# Allegro board pc051c_toplevel_209edited.brd (continued)
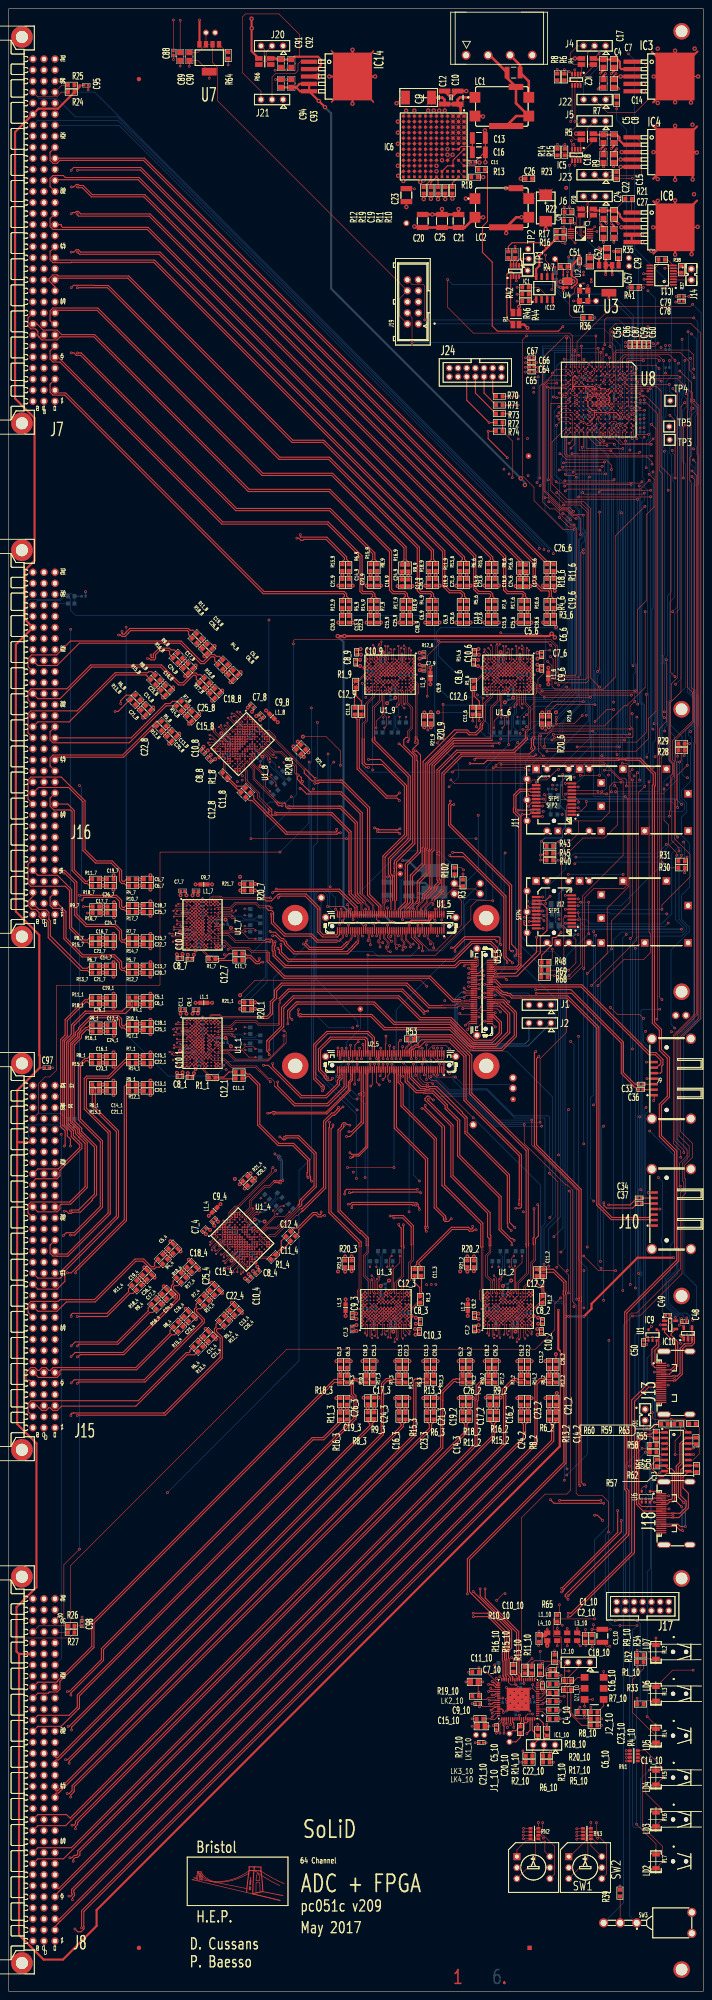
[diagram p0: board, top side]
## Routing (per net, layer and track width the routed paths; a pad name or vN(x,y) marks a point on that pad's centre or on a via; arc(x,y) is an arc through that point) (continued)
  BOTTOM w0.13: v4(60.21,276.11) 60.96,275.37
  BOTTOM w0.25: R24_8.2 60.96,275.37
UNNAMED_1_LTM9007_I6_FRB_1_9: length 10.5
  TOP w0.13: U1_9.J10 86.15,298.85 86.15,293.75 84.65,292.25 v4(84.65,290.75)
  BOTTOM w0.13: v4(84.65,290.75) 84.65,289.7 R24_9.2
UNNAMED_1_LTM9007_I6_FRB_2: length 11.6
  TOP w0.13: U1_2.J9 115.86,160.19 115.86,160.76 116.45,161.36 116.45,166.2 115.85,166.8 115.85,168.7 v4(116.35,169.2)
  BOTTOM w0.13: v4(116.35,169.2) 116.35,169.85 R24_2.1
UNNAMED_1_LTM9007_I6_FRB_3: length 11.6
  TOP w0.13: v4(88.2,169.2) 87.7,168.7 87.7,166.8 88.3,166.2 88.3,161.36 87.7,160.76 87.7,160.19 U1_3.J9
  BOTTOM w0.13: v4(88.2,169.2) 88.2,169.85 R24_3.1
UNNAMED_1_LTM9007_I6_FRB_4: length 11.6
  TOP w0.13: v4(63.35,180.71) 62.64,180.71 61.3,179.36 61.3,178.52 57.87,175.09 57.03,175.09 56.63,174.69 U1_4.J9
  BOTTOM w0.13: R24_4.1 63.81,181.17 v4(63.35,180.71)
UNNAMED_1_LTM9007_I6_FRB_6: length 11.6
  TOP w0.13: v4(113.7,290.75) 114.2,291.25 114.2,293.15 113.6,293.75 113.6,298.59 114.19,299.19 114.19,299.75 U1_6.J9
  BOTTOM w0.13: v4(113.7,290.75) 113.7,290.1 R24_6.1
UNNAMED_1_LTM9007_I6_FRB_7: length 11.6
  TOP w0.13: v4(56.85,244.1) 56.35,244.6 54.45,244.6 53.85,244 49.01,244 48.41,244.59 47.84,244.59 U1_7.J9
  BOTTOM w0.13: R24_7.1 57.5,244.1 v4(56.85,244.1)
UNNAMED_1_LTM9007_I6_FRB_8: length 11.6
  TOP w0.13: U1_8.J9 55.54,284.17 55.94,283.77 55.94,282.93 59.37,279.5 60.21,279.5 61.56,278.16 v4(61.56,277.45)
  BOTTOM w0.13: v4(61.56,277.45) 62.02,276.99 R24_8.1
UNNAMED_1_LTM9007_I6_FRB_9: length 11.6
  TOP w0.13: U1_9.J9 87.05,299.75 87.05,299.19 86.45,298.59 86.45,293.75 87.05,293.15 87.05,291.25 v4(86.55,290.75)
  BOTTOM w0.13: v4(86.55,290.75) 86.55,290.1 R24_9.1
UNNAMED_2_1-HOLE_I191_A: length 41.9
  TOP w0.13: LK4.1 102.65,257 R102.1
  TOP w0.18: v1(78,250.05) 78.23,249.82 78.23,248.77 78.25,248.74 U1_5.90
  TOP w0.25: R3.1 103.25,254.3 LK4.1
  BOTTOM w0.13: LK4.1 102.65,258.7 98.95,262.4 90.35,262.4 v1(78,250.05)
UNNAMED_2_CAPCERSMDCL2_I261_B: length 57.8
  TOP w0.13: J21.3 58.12,437.18 53.8,441.5 53.8,454.25 54.55,455 62.25,455 66.95,450.3 66.95,445.15
  TOP w0.5: R66.2 61.56,444.75 61.81,444.5 C91.2 C92.2 65.2,444.5 65.85,445.15 71.25,445.15 71.9,444.5 71.9,443.19 71.01,442.3 IC14.2
UNNAMED_2_CON3P_I232_A: length 17.7
  TOP w0.18: U3_5.31 v1(109.62,229.7)
  BOTTOM w0.13: J1.1 123.91,227.94 121.36,227.94 119.6,229.7 v1(109.62,229.7)
UNNAMED_2_CON3P_I232_A_1: length 9.9
  TOP w0.18: U3_5.33 v1(112.08,229.2)
  BOTTOM w0.13: J1.3 117.57,229.2 v1(112.08,229.2)
UNNAMED_2_CON3P_I258_A: length 5.3
  TOP w0.13: J20.3 58.85,446.92 58.85,444.28 57.92,443.35 R66.3
UNNAMED_2_CON3P_I258_A_1: length 5.5
  TOP w0.13: J20.2 59.31,446.3 59.31,444.12 60.08,443.35 R66.4
UNNAMED_2_CON3P_I274_A: length 16.1
  TOP w0.13: IC14.1 67.15,444 66.64,443.49 66.64,441.93 65.96,441.25 61.45,441.25 60.66,440.46 J21.2
UNNAMED_3_CAPCERSMDCL1_I104_A: length 5.4
  TOP w0.25: C19.1 98.9,417.15 IC6.F12 97.25,416.23 R19.2
UNNAMED_3_CAPCERSMDCL2_I44_B_10: length 17.8
  TOP w0.17: R7_10.2 131.98,61.2 128.75,64.43 128.75,69.95 130.16,71.36 ; 130.16,71.36 130.02,71.5 C16_10.2 ; 130.16,71.36 131.04,72.24 QZ1_10.4
UNNAMED_3_CAPCERSMDCL2_I45_B_10: length 13.7
  TOP w0.17: R4_10.2 130.95,62.7 129.5,64.15 C14_10.2 131.14,69.4 131.44,69.7 QZ1_10.5
UNNAMED_3_CAPCERSMDCL2_I57_B: length 10.3
  TOP w0.5: IC4.2 141.72,424.9 140.7,425.92 140.7,426.6 140.1,427.2 C8.2 C5.2 134.93,427.2 R5.2
UNNAMED_3_CAPCERSMDCL2_I85_B: length 13.9
  TOP w0.13: R21.1 142.05,412.35 C22.2
  TOP w0.5: IC8.2 141.6,407.6 140.8,408.4 140.8,408.85 139.9,409.75 C22.2 C24.2 135.03,409.75 R20.2
UNNAMED_3_CAPCERSMDCL2_I119_<0>: length 115
  TOP w0.129: IC6.B4 103.61,428.18 ; IC6.B4 103.11,428.18 ; IC6.B4 104.12,427.17 ; IC6.B4 104.12,428.18 ; IC6.B4 103.61,427.17 ; IC6.B4 104.12,427.68 ; IC6.B4 103.11,427.17 ; IC6.C3 102.85,429.45 ; IC6.C3 102.34,428.44 ; IC6.C3 101.84,429.45 ; IC6.C3 102.85,428.44 ; IC6.C3 101.84,428.44 ; IC6.C3 102.85,428.94 ; IC6.C3 102.34,429.45 ; 104.38,428.44 IC6.A3 ; IC6.A3 105.39,428.94 ; IC6.A3 104.89,429.45 ; IC6.A3 104.89,428.44 ; IC6.A3 104.38,429.45 ; IC6.A3 105.39,429.45 ; IC6.A3 105.39,428.44 ; IC6.C2 102.85,430.21 ; IC6.C2 102.34,430.72 ; IC6.C2 102.85,430.72 ; IC6.C2 102.85,429.71 ; IC6.C2 101.84,429.71 ; IC6.C2 101.84,430.72 ; IC6.C2 102.34,429.71 ; 104.38,428.18 IC6.A4 ; IC6.A4 104.89,428.18 ; IC6.A4 105.39,427.68 ; IC6.A4 104.38,427.17 ; IC6.A4 104.89,427.17 ; IC6.A4 105.39,427.17 ; IC6.A4 105.39,428.18 ; IC6.A5 105.39,426.91 ; IC6.A5 105.39,425.9 ; IC6.A5 104.38,425.9 ; IC6.A5 104.89,426.91 ; IC6.A5 105.39,426.4 ; IC6.A5 104.38,426.91 ; IC6.A5 104.89,425.9 ; 104.38,430.98 IC6.A1 ; IC6.A1 104.38,431.99 ; IC6.A1 105.39,431.99 ; IC6.A1 105.39,431.49 ; IC6.A1 104.89,430.98 ; IC6.A1 104.89,431.99 ; IC6.A1 105.39,430.98 ; IC6.C4 102.85,427.68 ; IC6.C4 102.85,427.17 ; IC6.C4 101.84,428.18 ; IC6.C4 102.34,428.18 ; IC6.C4 102.85,428.18 ; IC6.C4 101.84,427.17 ; IC6.C4 102.34,427.17 ; IC6.A2 104.89,430.72 ; IC6.A2 104.89,429.71 ; IC6.A2 105.39,430.21 ; IC6.A2 104.38,429.71 ; IC6.A2 105.39,430.72 ; IC6.A2 104.38,430.72 ; IC6.A2 105.39,429.71 ; IC6.B5 104.12,426.91 ; IC6.B5 103.61,425.9 ; IC6.B5 103.61,426.91 ; IC6.B5 104.12,426.4 ; IC6.B5 103.11,425.9 ; IC6.B5 103.11,426.91 ; IC6.B5 104.12,425.9 ; 100.4,433.5 C12.2 ; C12.2 98.87,434.9 ; C12.2 98.87,434.25 ; C12.2 98.87,433.6 ; IC6.B2 103.61,430.72 ; IC6.B2 103.11,430.72 ; IC6.B2 104.12,430.21 ; IC6.B2 104.12,430.72 ; IC6.B2 103.61,429.71 ; IC6.B2 104.12,429.71 ; IC6.B2 103.11,429.71 ; 103.4,433.5 C10.2 ; C10.2 104.93,433.6 ; C10.2 104.93,434.25 ; C10.2 104.93,434.9 ; IC6.B6 104.12,425.64 ; IC6.B6 104.12,425.13 ; IC6.B6 103.11,425.64 ; IC6.B6 103.61,425.64 ; IC6.B1 104.12,430.98 ; IC6.B1 104.12,431.49 ; IC6.B1 103.61,430.98 ; IC6.B1 103.11,431.99 ; IC6.B1 103.61,431.99 ; IC6.B1 103.11,430.98 ; IC6.C6 102.34,425.64 ; IC6.C6 102.85,425.13 ; IC6.C6 101.84,425.64 ; IC6.C6 102.85,425.64 ; 101.84,426.91 IC6.C5 ; IC6.C5 102.34,425.9 ; IC6.C5 101.84,425.9 ; IC6.C5 102.34,426.91 ; IC6.C5 102.85,426.91 ; IC6.C5 102.85,426.4 ; IC6.C5 102.85,425.9 ; IC6.C1 102.85,431.49 ; IC6.C1 101.84,430.98 ; IC6.C1 102.85,431.99 ; IC6.C1 102.85,430.98 ; IC6.C1 102.34,431.99 ; IC6.C1 102.34,430.98 ; IC6.C1 101.84,431.99 ; IC6.B3 103.61,429.45 ; IC6.B3 104.12,428.44 ; IC6.B3 103.61,428.44 ; IC6.B3 104.12,429.45 ; IC6.B3 104.12,428.94 ; IC6.B3 103.11,429.45 ; IC6.B3 103.11,428.44 ; 96.21,435.75 C9.1 ; C9.1 97.4,433.98 ; C9.1 98.53,433.98 ; C9.1 96.27,433.98 ; IC6.A6 104.89,425.64 ; IC6.A6 105.39,425.13 ; IC6.A6 105.39,425.64 ; IC6.A6 104.38,425.64
  TOP w0.13: IC6.A1 104.38,431.49 ; IC6.A5 104.38,426.4 ; IC6.B3 103.11,428.94 ; IC6.A6 104.38,425.13 ; 103.11,431.49 IC6.B1 104.1,431.97 ; IC6.C5 101.84,426.4 ; IC6.B2 103.11,430.21 ; IC6.C1 101.84,431.49 ; IC6.C2 101.84,430.21 ; IC6.B5 103.11,426.4 ; IC6.B4 103.11,427.68 ; IC6.C6 101.84,425.13 ; IC6.A4 104.38,427.68 ; IC6.A3 104.38,428.94 ; IC6.B6 103.11,425.13 ; IC6.C3 101.84,428.94 ; IC6.C4 101.84,427.68 ; IC6.A2 104.38,430.21
  TOP w0.6: C10.2 104.1,433.55 104.1,431.97 ; C10.2 103.4,435.25 103.95,435.8 LC1.1 ; C10.2 C12.2 100.4,435.25 99.9,435.75 C9.1
UNNAMED_3_CAPCERSMDCL2_I122_B: length 1.7
  TOP w0.25: C11.2 106.03,421.32 IC6.A9
UNNAMED_3_CAPCERSMDCL2_I125_<0>: length 8
  TOP w0.25: 106.8,424.5 104.25,424.5 IC6.B7 IC6.C7 ; 106.8,424.5 C16.2 ; 106.8,424.5 C13.2
UNNAMED_3_CAPCERSMDCL2_I133_B: length 11.5
  TOP w0.6: LC1.2 119.8,439.5 C6.2 117.8,443.21 J3.3
UNNAMED_3_CAPCERSMDCL2_I134_B: length 24.6
  TOP w0.13: R4.2 134.8,444.75 v1(136,445.95)
  TOP w0.5: R4.2 134.93,444.5 C4.2 C7.2 140.28,444.5 140.78,444 140.78,442.67 141.15,442.3 IC3.2
  BOTTOM w0.13: J22.3 132.45,435.33 132.45,439.4 136,442.95 v1(136,445.95)
UNNAMED_3_CON3P_I83_A: length 12.6
  TOP w0.13: J6.3 133.2,412.22 133.2,409.68 132.22,408.7 R20.3 131.59,408.37 131.59,404.09 132.23,403.45 IC7.1
UNNAMED_3_CON3P_I83_A_1: length 13.4
  TOP w0.13: IC7.2 132.1,403.95 131.85,404.2 131.85,405.88 R20.4 134.38,408.7 133.46,409.62 133.46,411.5 J6.2
UNNAMED_3_CON3P_I173_A: length 26.3
  TOP w0.13: IC3.1 145.85,444 147.12,442.73 147.12,435.1 144.32,432.3 137.96,432.3 J22.2
UNNAMED_3_CON3P_I173_A_1: length 2.8
  TOP w0.13: R7.2 138.1,435.9 J22.1
UNNAMED_3_CON3P_I174_A: length 21.9
  TOP w0.13: J23.2 135.95,417.01 137.91,417.01 138.65,417.75 145.72,417.75 145.77,417.8 145.77,425.3 144.47,426.6 IC4.1
UNNAMED_3_CON3P_I174_A_1: length 2.7
  TOP w0.13: J23.1 138.1,418.6 R9.2
UNNAMED_3_INA219_I143_A0: length 5.7
  TOP w0.13: R8.2 126.99,439.11 128.58,439.11 128.92,439.45 130.57,439.45 131.07,438.95 IC2.7
UNNAMED_3_INA219_I143_A1: length 4.5
  TOP w0.13: IC2.8 131.72,438.95 130.92,439.75 R6.2
UNNAMED_3_INA219_I148_A0: length 3.7
  TOP w0.13: IC5.7 131.07,421.65 130.27,422.45 R15.1
UNNAMED_3_INA219_I148_A1: length 6.6
  TOP w0.13: R14.2 126.65,422.45 127.3,423.1 130.27,423.1 131.72,421.65 IC5.8
UNNAMED_3_INA219_I179_A0: length 1.9
  TOP w0.25: R2.2 116.65,398.4 116.28,398.02 116.28,397.15
UNNAMED_3_INA219_I179_A1: length 1.9
  TOP w0.25: R67.1 115.6,398.35 115.6,397.98 115.62,397.95 IC1.8
UNNAMED_3_LT1764A_I84_SHDN: length 3.2
  TOP w0.13: R21.2 143.5,412.4 IC8.1
UNNAMED_3_LTC2990_I147_ADR0: length 2
  TOP w0.13: R17.1 128.25,404.45 IC7.8
UNNAMED_3_LTC2990_I147_ADR1: length 2
  TOP w0.13: IC7.9 128.3,403.95 R16.1
UNNAMED_3_LTM4606_I115_DRVCC<0>: length 9.2
  TOP w0.25: IC6.E12 IC6.E11 101.08,420.06 IC6.C10 102.34,421.32 IC6.A7
UNNAMED_3_LTM4606_I115_FSET: length 4.6
  TOP w0.25: R11.1 R10.2 102.2,416.1 IC6.B12
UNNAMED_3_LTM4606_I115_MPGM1: length 3.5
  TOP w0.13: R18.2 104.95,417.45 IC6.A12 IC6.B11
UNNAMED_3_LTM4606_I115_PGOOD: length 3.1
  TOP w0.25: IC6.G12 97.27,416.81 R12.2
UNNAMED_3_LTM4606_I115_RUN1: length 5.5
  TOP w0.13: IC6.B9 IC6.A10
  TOP w0.25: IC6.A10 107.34,420.06 R13.2
UNNAMED_3_OSC6PENDIFFOUT_I37_10: length 3.6
  TOP w0.17: QZ1_10.1 137.05,65.7 135.6,64.25 R1_10.1
UNNAMED_3_RSMD0603_I57_B_10: length 6.7
  TOP w0.17: IC1_10.39 112.24,67.95 111.85,67.56 110.42,67.56 110.01,67.16 107.55,67.16 R19_10.2
UNNAMED_3_RSMD0603_I58_B_10: length 4.1
  TOP w0.17: IC1_10.11 123,68.45 123.58,69.03 123.58,69.44 124.6,70.46 R18_10.2
UNNAMED_3_RSMD0603_I60_B_10: length 4
  TOP w0.17: R12_10.2 110.96,62.7 111.12,62.54 111.94,62.54 IC1_10.48
UNNAMED_3_RSMD0603_I62_B_10: length 2.2
  TOP w0.17: R15_10.2 116.25,73.1 117.1,72.25 IC1_10.25
UNNAMED_3_RSMD0603_I64_B_10: length 3.5
  TOP w0.17: IC1_10.3 122.85,64.45 R17_10.2
UNNAMED_3_RSMD0603_I65_B_10: length 2.9
  TOP w0.17: IC1_10.4 123.69,64.95 123.94,64.7 R20_10.2
UNNAMED_3_RSMD0603_I68_B_10: length 2.1
  TOP w0.17: R16_10.2 119.05,73.15 120.1,72.1 IC1_10.19
UNNAMED_3_RSMD0603_I69_B_10: length 2
  TOP w0.17: IC1_10.17 121.1,71.8 R13_10.2
UNNAMED_5_LP38692_I130_EN: length 2.8
  TOP w0.13: R64.1 50.25,446.2 U7.1
UNNAMED_7_CAPCERSMDCL2_I3_A: length 3
  TOP w0.25: C34.1 146.2,182.55 146.21,182.54 J10.6
UNNAMED_7_CAPCERSMDCL2_I5_A: length 3
  TOP w0.25: C37.1 146.2,181.25 146.22,181.27 J10.5
UNNAMED_7_CAPCERSMDCL2_I11_A: length 2.6
  TOP w0.25: J9.3 146.67,208.73 146.65,208.75 C33.1
UNNAMED_7_CAPCERSMDCL2_I12_A: length 2.7
  TOP w0.25: C36.1 146.6,207.5 146.64,207.46 J9.2
UNNAMED_7_CAPCERSMDCL2_I16_B: length 10.6
  TOP w0.13: J11.16 123.62,273.53 123.75,273.66 123.75,275 v1(123.4,275.35)
  TOP w0.18: v1(119.7,272.7) 120.53,273.53 J11.16
  BOTTOM w0.13: C39.2 124.3,275.45 ; 124.3,275.45 123.5,275.45 v1(123.4,275.35) ; 124.3,275.45 L4.1 ; C41.2 120.55,271.85 v1(119.7,272.7)
UNNAMED_7_CAPCERSMDCL2_I17_B: length 12.7
  TOP w0.18: J11.15 v1(123.2,274.33)
  BOTTOM w0.13: v1(123.2,274.33) 122.02,274.33 C35.2 ; v1(123.2,274.33) 122.05,275.48 C32.2 ; v1(123.2,274.33) 123.2,274.3 L2.2 124.75,271.59 124.85,271.49 C38.2
UNNAMED_7_CAPCERSMDCL2_I27_B: length 8.5
  TOP w0.13: v1(123.3,247.5) 123.02,247.78 J12.16
  BOTTOM w0.13: v1(123.3,247.5) 124.95,245.85 L5.1 ; v1(123.3,247.5) 123.6,247.8 C47.2 ; v1(123.3,247.5) 122.5,246.7 C46.2
UNNAMED_7_CAPCERSMDCL2_I31_B: length 8.5
  TOP w0.18: J12.15 v1(122.98,248.58)
  BOTTOM w0.13: L3.2 123.38,248.58 v1(122.98,248.58) ; C43.2 C44.2 122.15,247.75 v1(122.98,248.58) ; v1(122.98,248.58) 122.4,249.16 C45.2
UNNAMED_8_LED_I105_K: length 11.9
  TOP w0.13: LD4.2 150.6,49.08 150.6,51.5 146.7,55.4 RN1.8
UNNAMED_8_LED_I107_K: length 19.7
  TOP w0.13: RN1.7 145.12,54.6 146.75,52.97 146.75,45.6 150.55,41.8 150.55,39.6 149.1,38.15 LD3.2
UNNAMED_8_LED_I108_K: length 28.7
  TOP w0.13: RN1.6 145.12,53.8 146.05,52.87 146.05,37.9 150.65,33.3 150.65,29.85 LD2.2
UNNAMED_8_LED_I285_K: length 3.2
  TOP w0.13: LD7.2 147.15,76.5 R34.2
UNNAMED_8_LED_I288_K: length 3.2
  TOP w0.13: LD6.2 147.01,66.86 R33.2
UNNAMED_8_LED_I293_K: length 21.9
  TOP w0.13: R32.2 146.25,74.25 143.65,71.65 143.65,64.2 149.1,58.75 LD5.2
UNNAMED_11_24AA025E48_I159_A0: length 1.8
  TOP w0.13: R46.1 120.65,388.9 121,389.25 IC12.1
UNNAMED_11_24AA025E48_I159_A1: length 3.8
  TOP w0.13: R44.1 122.02,390.5 122.77,389.75 IC12.2
UNNAMED_11_24AA025E48_I159_A2: length 5.9
  TOP w0.13: R42.1 122.02,392.1 124.03,390.09 IC12.3
UNNAMED_11_CON2P_I154_A: length 4.2
  TOP w0.13: J14.2 153.27,393.78 IC11.3
UNNAMED_11_CON2P_I154_A_1: length 4.9
  TOP w0.13: J14.1 155.51,394.58 IC11.4
UNNAMED_11_LM82_I138_ADD: length 3.5
  TOP w0.13: R38.1 149.65,397.29 148.85,396.49 IC11.10
UNNAMED_11_LM82_I138_ADD_1: length 2
  TOP w0.13: IC11.6 153.74,395.85 154.14,395.45 R37.1
UNNAMED_11_LP38692_I193_EN: length 1.7
  TOP w0.5: U3.1 140.5,398.16 140.45,398.21 R35.1
UNNAMED_11_LP38692SD_I128_EN: length 2.2
  TOP w0.3: U4.3 127.75,396.3 R47.1
UNNAMED_11_RSMD0603_I137_A: length 6.1
  TOP w0.13: R39.1 140.84,21.81 SW3.2
UNNAMED_15_CON2P_I271_A: length 14.7
  TOP w0.13: J31.2 146.15,130.93 146.15,129.05 148.05,129.05 149.55,130.55 R60.1 151.4,129.45 152.07,129.45 152.12,129.4 152.12,125.7 151.2,124.78 151.1,124.78
UNNAMED_15_DS90LV032A_I246_EN: length 13.1
  TOP w0.13: IC13.12 156.51,123.5 v1(157.73,123.5) ; v1(153.5,123.5) 153.5,126.71 154.8,128.01 R59.2
  BOTTOM w0.13: v1(153.5,123.5) v1(157.73,123.5)
UNNAMED_15_DS90LV032A_I246_RO_1: length 10.4
  TOP w0.13: IC13.11 157.65,122.25 159.05,123.65 159.05,129.75 158.25,130.55 R63.1
UNNAMED_15_DS90LV032A_I246_RO_2: length 2.1
  TOP w0.13: R62.1 149.74,123.52 IC13.5
UNNAMED_15_DS90LV032A_I246_ROUT: length 2.1
  TOP w0.13: IC13.3 149.6,126.06 R61.1
VMON2V5A: length 9.7
  TOP w0.13: J5.3 131.95,430.35 129.7,428.1 129.7,426.85 130.5,426.05 R5.3 131.72,425.85 IC5.1
VMON2V5B: length 11.8
  TOP w0.13: IC5.2 131.07,423.45 131.42,423.11 132.03,423.11 134.68,425.75 R5.4 133.6,426.05 133.25,426.4 133.25,428.64 J5.2
VMON3V3A: length 10.8
  TOP w0.13: IC2.1 131.93,441.35 R4.3 130.05,443.35 129.35,444.05 129.35,445.95 131.05,447.65 J4.3
VMON3V3B: length 11.8
  TOP w0.13: IC2.2 131.07,440.75 131.42,440.41 132.16,440.41 134.68,442.93 R4.4 133.65,443.35 133.3,443.7 133.3,445.99 J4.2
VMON5V_FPGA_A: length 8.5
  TOP w0.25: IC1.1 115.62,386.8 R1.3
VMON5V_FPGA_B: length 14.9
  TOP w0.25: R1.4 114.75,384.93 114.75,395.1 115.4,395.75 115.85,395.75 116.28,395.32 116.28,394.55
XA_10: length 19
  TOP w0.17: 124.6,68.65 125.35,67.9 v1(127.95,67.9) ; 124.6,68.65 122.9,66.95 IC1_10.8 ; 124.6,68.65 R8_10.2 ; v1(129.05,73.7) 128,73.7 ; 128,73.7 C16_10.1 ; 128,73.7 128,74.93 J2_10.3
  L3 w0.17: v1(127.95,67.9) 127.95,72.6 v1(129.05,73.7)
XB_10: length 15.5
  TOP w0.17: IC1_10.9 122.47,67.45 123.91,68.89 123.91,69.3 124.05,69.44 125.41,69.44 126.1,68.75 ; R8_10.1 126.1,68.75 ; 126.1,68.75 126.75,69.4 C14_10.1 128,70.11 128.75,70.86 128.75,72.1 131.31,74.66 J2_10.2

## Copper pours and planes (outline as drawn; the poured copper is in the pictures)
GND_SIGNAL on TOP: 126.55,392.65 129.75,392.65 129.75,394.25 126.55,394.25
GND_SIGNAL on TOP: 67.44,425.35 87,425.35 87,455.69 67.44,455.69
GND_SIGNAL on TOP, BOTTOM: 147,399.5 159.5,399.5 159.5,455.55 147,455.55
GND_SIGNAL on L2: 0.5,0.5 0.5,455.7 20.4,455.7 20.4,438 127.5,330.9 127.5,302.65 128,302.65 128,334.55 23,439.55 23,455.7 159.5,455.7 159.5,0.5 22.95,0.5 23,0.55 23,18.1 127.6,122.7 127.6,157.3 127.15,157.3 127.15,125.15 20.5,18.5 20.5,0.5 ; 2 cut-outs
P1V8 on L5 (solid shape): outline of 55517 points within 23,0.5 159.5,410.62
P1V8A on L5: 8.4,452.65 9.1,453.8 9.5,454.22 9.5,455.02 11.96,455.02 12.46,455.53 12.67,455.51 12.77,455.7 20.4,455.7 20.4,437.95 127.5,330.85 127.5,285.05 77.21,285.05 57.56,265.4 62.55,265.4 62.55,198.15 53.96,198.15 77.21,174.9 127.15,174.9 127.15,125.15 20.5,18.5 20.5,0.5 0.5,0.5 0.5,455.7 12.39,455.7 0.5,455.7 0.5,450.9 0.58,450.81 0.69,450.86 4.04,452.13 5.55,448.89 5.59,448.77 5.72,448.78 7.92,450.99 7.92,451.24 7.99,451.14 8.1,451.16 8.68,451.75 ; 2 cut-outs
P1V8C on L5: 120.5,354.65 120.75,354.4 122.15,354.4 122.2,354.45 122.2,387.85 125.4,391.05 128.5,391.05 129,391.55 129,392.45 128.9,392.55 128.5,392.55 126.8,394.25 125.45,394.25 120.5,389.3
P2V2 on TOP: 89.8,432.55 89.8,418.15 95.3,418.15 95.3,432.55
P2V2 on L5: 89.15,438 110.5,438 110.5,405 89.15,405
P2V2_FILTERED on TOP: 118.05,411.2 129.3,411.2 130.95,409.55 132.85,409.55 132.85,410.85 130.85,412.85 128.85,412.85 124,417.7 120.8,417.7 119.95,416.85 119.95,415.7 118.15,413.9 118.05,413.9
P2V5 on L5: 147.75,413.05 155.8,413.05 157.8,411.05 157.8,392.4 155.85,390.45 155.85,389.45 155.95,389.35 155.95,263.75 155.9,263.8 153.25,263.8 152.9,263.45 152.9,263.4 113.5,263.4 106.4,256.3 100.6,256.3 97.75,253.45 97.75,218.05 97.2,217.5 97.2,215.8 97.75,215.25 97.75,214.15 97.8,214.1 100.55,214.1 100.65,214.2 100.65,216.65 98.85,218.45 98.85,252.55 99.55,253.25 105.25,253.25 107.88,255.88 107.88,255.82 114.7,262.65 152.85,262.65 153.3,262.2 155.95,262.2 155.95,226.15 156.9,225.2 156.9,223.8 155.95,222.85 155.95,220.55 155.4,220 155.4,218.3 155.95,217.75 155.95,202.7 155.2,201.95 155.2,199.75 155.95,199 155.95,191.3 155.45,190.8 155.45,188 155.95,187.5 155.95,172.35 155,171.4 155,169.5 155.95,168.55 155.95,156.05 153.15,156.05 152.3,155.2 152.25,155.2 151.9,154.85 151.9,152.7 152.3,152.3 152.3,149.7 155.95,146.05 155.95,27.95 158.55,27.95 158.55,199.05 159,199.5 159,201.9 158.55,202.35 158.55,217.7 158.85,218 158.85,220.3 158.55,220.6 158.55,411.2 156,413.75 148.3,413.75 142.2,419.85 142.2,421.15 141.8,421.55 136.25,421.55 136.1,421.4 136.1,419.45 141.35,419.45
P3V3 on L5: 128.5,441.95 159.5,441.95 159.5,23.55 158.75,22.8 139.9,22.8 139.05,23.65 139.05,26.45 138.4,27.1 115.25,27.1 115.2,27.15 115.2,29.6 115.3,29.7 138.35,29.7 139.05,30.4 139.05,47.2 141.3,49.45 141.3,82.35 126.1,82.35 125.45,83 125.45,85.75 127.15,85.75 127.2,85.7 127.2,89.8 150.7,89.8 150.7,148.75 147.9,148.75 146.9,149.75 146.9,150.85 149.4,150.85 149.4,155.4 150.85,156.85 152.25,156.85 152.6,157.2 152.6,235.8 153.05,236.25 154.55,236.25 154.55,290.45 152.2,292.8 152.2,296.6 154.9,299.3 154.9,406.45 150.6,410.75 139.45,410.75 134.3,405.6 134.3,401.8 125.7,401.8 125.7,439.15
P3V3C on L5: 137.4,397.05 134.55,394.2 132.75,394.2 132.65,394.1 132.65,380 128.1,375.45 128.1,358.4 137.2,358.4 137.2,296.9 100.15,259.85 100.15,259.45 90.85,250.15 90.85,204.75 122.9,172.7 123.25,173.05 140.15,173.05 142.75,170.45 142.75,143.3 143.85,142.2 143.9,142.2 144.9,141.2 144.9,111.35 147.75,111.35 147.75,141.25 145.95,143.05 145.95,170.65 141,175.6 123.15,175.6 93.6,205.15 93.6,250.9 98.8,256.1 100.22,257.42 141.7,298.9 141.7,358.4 151.45,358.4 151.45,393.95 150.95,394.45 145.4,394.45 144.2,397.05
P5V on BOTTOM: 12.4,446.3 4.3,446.3 1.45,443.45 1.45,10.8 1.8,10.45 3.85,10.45 4.35,10.95 4.35,88.6 4.88,89.12 11.47,89.12 11.7,89.35 11.7,91.4 11.6,91.5 7.2,91.5 7.2,126.2 4.35,129.05 4.35,206.55 5.05,207.25 11.25,207.25 11.65,207.65 11.65,209.1 11.2,209.55 7.95,209.55 7.65,209.85 7.65,215.3 4.35,218.6 4.35,236.15 7.55,239.35 7.55,244.25 4.35,247.45 4.35,324.45 5.22,325.32 11.17,325.32 11.65,325.8 11.65,327.2 11.1,327.75 7.5,327.75 7.1,328.15 7.1,335.5 5.35,337.25 4.35,337.25 4.35,353.8 7.6,357.05 7.6,363.3 4.35,366.55 4.35,443.2 4.95,443.8 11.6,443.8 13.25,445.45
P5V on L5: 86.9,255.55 86.9,272.55 98.7,284.35 108.6,284.35 126.62,302.38 126.62,303.48 127.6,304.45 127.6,329.6 19.75,437.45 19.75,452 11.55,443.8 5,443.8 3.85,444.95 13.2,454.3 20.35,454.3 20.35,437.95 127.9,330.4 127.9,302.95 128.5,303.4 128.5,334 24.05,438.45 88.65,438.45 88.65,404.5 111.05,404.5 111.05,438.5 23.35,438.5 23.35,455.35 158.9,455.35 158.9,442.35 128.65,442.35 127.3,441 127.3,430 128.4,428.9 132.35,428.9 133.2,428.05 133.2,426.75 128.5,426.75 127.3,425.55 127.3,419.65 127.55,419.4 132.5,419.4 133.45,418.45 133.45,417.35 132.6,416.5 127.6,416.5 127.6,400.95 128,400.55 140.9,400.55 141.6,399.85 141.6,398.85 141,398.25 127.2,398.25 127.2,396.15 120.35,389.3 120.35,354.65 130.05,344.95 130.05,301.05 127.99,298.99 127.99,299.01 111.16,282.3 100.45,282.3 91.9,273.75 91.9,260.45 90.7,259.25 89.65,259.25 88,257.6 88,255.55
P5V_FPGA on L5: 86.9,255.6 88,255.6 88,257.7 89.6,259.3 90.65,259.3 90.7,259.25 90.7,259.3 91.85,260.45 91.9,260.45 91.9,273.7 91.85,273.75 100.4,282.3 111.3,282.3 130.05,301.05 130.05,344.95 120.35,354.65 120.35,389.35 118.7,389.35 118.7,354.7 129.35,344.05 129.35,302.25 110.35,283.25 100.9,283.25 91.4,273.75 91.4,261.6 89.55,259.75 89.4,259.75 89.35,259.8 86.9,257.35
VDD_CLK40 on L5 (solid shape): 124.75,79.8 125.64,78.91 125.65,78.9 125.66,78.88 125.67,78.85 125.66,78.82 125.65,78.79 125.64,78.77 125.61,78.75 125.57,78.74 125.52,78.71 125.47,78.67 125.43,78.63 125.39,78.58 125.36,78.53 125.34,78.48 125.32,78.42 125.32,78.36 125.32,78.3 125.33,78.24 125.35,78.18 125.37,78.13 125.41,78.08 125.44,78.04 125.49,78 125.54,77.96 125.59,77.94 125.65,77.92 125.71,77.91 125.77,77.91 125.83,77.92 125.89,77.93 125.94,77.95 125.99,77.98 126.04,78.02 126.08,78.06 126.12,78.11 126.14,78.16 126.16,78.2 126.18,78.23 126.2,78.25 126.23,78.26 126.26,78.26 126.29,78.25 126.31,78.24 126.32,78.23 127.85,76.7 127.85,68.32 127.79,68.3 127.73,68.27 127.68,68.24 127.64,68.2 127.6,68.15 127.57,68.1 127.54,68.05 127.53,67.99 127.52,67.93 127.52,67.87 127.53,67.81 127.54,67.75 127.57,67.7 127.6,67.65 127.64,67.6 127.68,67.56 127.73,67.53 127.79,67.5 127.85,67.48 127.85,63 127.63,62.78 127.62,62.77 127.6,62.76 127.57,62.75 127.54,62.76 127.51,62.77 127.48,62.79 127.47,62.81 127.45,62.85 127.43,62.91 127.4,62.96 127.36,63 127.31,63.04 127.27,63.08 127.21,63.1 127.16,63.12 127.1,63.13 127.04,63.13 126.98,63.13 126.92,63.11 126.87,63.09 126.81,63.06 126.77,63.03 126.72,62.98 126.69,62.94 126.66,62.88 126.64,62.83 126.62,62.77 126.62,62.71 126.62,62.65 126.63,62.59 126.65,62.54 126.67,62.48 126.71,62.44 126.75,62.39 126.79,62.35 126.84,62.32 126.9,62.3 126.94,62.28 126.96,62.26 126.98,62.24 126.99,62.21 127,62.18 126.99,62.15 126.98,62.13 126.95,62.1 119.25,62.1 118.55,62.8 118.55,64.53 119.62,64.53 119.62,64.47 119.63,64.41 119.64,64.36 119.67,64.3 119.7,64.25 119.73,64.2 119.78,64.16 119.83,64.13 119.88,64.1 119.93,64.08 119.99,64.07 120.05,64.07 120.11,64.07 120.17,64.08 120.22,64.1 120.27,64.13 120.32,64.16 120.37,64.2 120.4,64.25 120.43,64.3 120.46,64.36 120.47,64.41 120.48,64.47 120.48,64.53 120.47,64.59 120.46,64.64 120.43,64.7 120.42,64.73 126.62,64.73 126.62,64.67 126.63,64.61 126.64,64.56 126.67,64.5 126.7,64.45 126.73,64.4 126.78,64.36 126.83,64.33 126.88,64.3 126.93,64.28 126.99,64.27 127.05,64.27 127.11,64.27 127.17,64.28 127.22,64.3 127.27,64.33 127.32,64.36 127.37,64.4 127.4,64.45 127.43,64.5 127.46,64.56 127.47,64.61 127.48,64.67 127.48,64.73 127.47,64.79 127.46,64.84 127.43,64.9 127.4,64.95 127.37,65 127.32,65.04 127.27,65.07 127.22,65.1 127.17,65.12 127.11,65.13 127.05,65.13 126.99,65.13 126.93,65.12 126.88,65.1 126.83,65.07 126.78,65.04 126.73,65 126.7,64.95 126.67,64.9 126.64,64.84 126.63,64.79 126.62,64.73 120.42,64.73 120.4,64.75 120.37,64.8 120.32,64.84 120.27,64.87 120.22,64.9 120.17,64.92 120.11,64.93 120.05,64.93 119.99,64.93 119.93,64.92 119.88,64.9 119.83,64.87 119.78,64.84 119.73,64.8 119.7,64.75 119.67,64.7 119.64,64.64 119.63,64.59 119.62,64.53 118.55,64.53 118.55,64.9 118.75,65.1 125.15,65.1 125.35,65.3 125.35,70.73 126.56,70.73 126.56,70.67 126.57,70.61 126.58,70.56 126.61,70.5 126.64,70.45 126.68,70.4 126.72,70.36 126.77,70.33 126.82,70.3 126.88,70.28 126.93,70.27 126.99,70.27 127.05,70.27 127.11,70.28 127.16,70.3 127.22,70.33 127.26,70.36 127.31,70.4 127.35,70.45 127.38,70.5 127.4,70.56 127.42,70.61 127.42,70.67 127.42,70.73 127.42,70.79 127.4,70.84 127.38,70.9 127.35,70.95 127.31,71 127.26,71.04 127.22,71.07 127.16,71.1 127.11,71.12 127.05,71.13 126.99,71.13 126.93,71.13 126.88,71.12 126.82,71.1 126.77,71.07 126.72,71.04 126.68,71 126.64,70.95 126.61,70.9 126.58,70.84 126.57,70.79 126.56,70.73 125.35,70.73 125.35,70.8 124.15,72 114.25,72 112.85,70.6 112.85,59.71 112.82,59.68 112.79,59.66 112.76,59.65 112.74,59.65 112.71,59.66 112.68,59.68 112.65,59.71 112.61,59.75 112.56,59.78 112.51,59.8 112.45,59.82 112.4,59.83 112.34,59.83 112.28,59.83 112.22,59.81 112.17,59.79 112.12,59.77 112.07,59.73 112.03,59.69 111.99,59.65 111.96,59.6 111.94,59.54 111.93,59.49 111.92,59.43 111.92,59.37 111.93,59.31 111.94,59.26 111.96,59.2 111.99,59.15 112.03,59.11 112.07,59.07 112.12,59.03 112.17,59.01 112.22,58.99 112.28,58.97 112.34,58.97 112.4,58.97 112.45,58.98 112.51,59 112.56,59.02 112.61,59.05 112.65,59.09 112.68,59.12 112.71,59.14 112.74,59.15 112.76,59.15 112.79,59.14 112.82,59.12 112.85,59.09 112.85,55.6 125.25,55.6 125.25,54.3 111.89,54.3 109.05,56.9 109.05,58.23 109.05,58.25 109.06,58.28 109.08,58.3 109.1,58.32 109.13,58.33 109.16,58.34 109.19,58.33 109.23,58.31 109.31,58.28 109.38,58.26 109.46,58.24 109.54,58.24 109.61,58.24 109.69,58.25 109.77,58.27 109.84,58.3 109.91,58.33 109.98,58.37 110.04,58.42 110.1,58.47 110.15,58.53 110.19,58.59 110.23,58.66 110.26,58.73 110.29,58.81 110.3,58.88 110.31,58.96 110.31,59.04 110.3,59.12 110.29,59.19 110.26,59.27 110.23,59.34 110.19,59.41 110.15,59.47 110.1,59.53 110.04,59.58 109.98,59.63 109.91,59.67 109.84,59.7 109.77,59.73 109.69,59.75 109.61,59.76 109.54,59.76 109.46,59.76 109.38,59.74 109.31,59.72 109.23,59.69 109.19,59.67 109.16,59.66 109.13,59.67 109.1,59.68 109.08,59.7 109.06,59.72 109.05,59.75 109.05,59.77 109.05,61.1 109.13,61.18 111.18,61.18 111.18,61.12 111.18,61.06 111.2,61.01 111.22,60.95 111.25,60.9 111.29,60.85 111.34,60.81 111.38,60.78 111.44,60.75 111.49,60.73 111.55,60.72 111.61,60.72 111.67,60.72 111.72,60.73 111.78,60.75 111.83,60.78 111.88,60.81 111.92,60.85 111.96,60.9 111.99,60.95 112.02,61.01 112.03,61.06 112.04,61.12 112.04,61.18 112.03,61.24 112.02,61.29 111.99,61.35 111.96,61.4 111.92,61.45 111.88,61.49 111.83,61.52 111.78,61.55 111.72,61.57 111.67,61.58 111.61,61.58 111.55,61.58 111.49,61.57 111.44,61.55 111.38,61.52 111.34,61.49 111.29,61.45 111.25,61.4 111.22,61.35 111.2,61.29 111.18,61.24 111.18,61.18 109.13,61.18 110.83,62.88 110.84,62.89 110.87,62.91 110.9,62.91 110.93,62.91 110.96,62.9 110.98,62.88 111,62.84 111.04,62.8 111.09,62.76 111.14,62.72 111.19,62.7 111.25,62.68 111.3,62.67 111.36,62.67 111.42,62.67 111.48,62.69 111.54,62.71 111.59,62.74 111.63,62.77 111.68,62.82 111.71,62.86 111.74,62.91 111.76,62.97 111.78,63.03 111.78,63.09 111.78,63.14 111.77,63.2 111.75,63.26 111.73,63.31 111.69,63.36 111.65,63.41 111.61,63.45 111.56,63.48 111.51,63.5 111.45,63.52 111.39,63.53 111.33,63.53 111.27,63.53 111.22,63.51 111.15,63.49 111.12,63.5 111.09,63.51 111.07,63.53 111.06,63.55 111.05,63.6 111.05,64.21 111.06,64.24 111.07,64.25 111.13,64.26 111.19,64.27 111.24,64.29 111.3,64.31 111.35,64.34 111.39,64.38 111.43,64.42 111.47,64.47 111.49,64.52 111.51,64.58 111.52,64.63 111.53,64.69 111.52,64.75 111.51,64.81 111.49,64.86 111.47,64.91 111.43,64.96 111.39,65.01 111.35,65.04 111.3,65.07 111.24,65.1 111.19,65.11 111.13,65.12 111.07,65.13 111.06,65.15 111.05,65.17 111.05,65.4 111.45,65.8 111.45,66.82 111.48,66.85 111.48,67.79 111.54,67.81 111.59,67.84 111.63,67.87 111.67,67.91 111.71,67.96 111.74,68.01 111.76,68.06 111.77,68.11 111.78,68.17 111.78,68.23 111.77,68.29 111.76,68.34 111.74,68.39 111.71,68.44 111.67,68.49 111.63,68.53 111.59,68.56 111.54,68.59 111.48,68.61 111.48,69.64 111.48,69.67 111.48,69.73 111.48,69.76 111.48,70.89 111.54,70.91 111.59,70.94 111.64,70.98 111.68,71.02 111.72,71.07 111.75,71.12 111.77,71.18 111.78,71.23 112.16,71.61 112.22,71.59 112.28,71.57 112.33,71.57 112.39,71.57 112.45,71.58 112.51,71.6 112.56,71.62 112.61,71.65 112.65,71.69 112.69,71.73 112.72,71.78 112.75,71.83 112.77,71.89 112.78,71.95 112.78,72.01 112.78,72.06 112.77,72.12 112.75,72.18 112.72,72.23 112.68,72.28 112.64,72.32 112.6,72.35 112.55,72.38 112.49,72.41 112.44,72.42 112.38,72.43 112.31,72.44 112.29,72.45 112.27,72.47 112.26,72.49 112.25,72.53 112.25,73.39 112.26,73.43 112.28,73.49 112.28,73.55 112.28,73.61 112.26,73.67 112.25,73.71 112.25,74.03 123.72,74.03 123.72,73.97 123.73,73.91 123.74,73.86 123.77,73.8 123.8,73.75 123.83,73.7 123.88,73.66 123.93,73.63 123.98,73.6 124.03,73.58 124.09,73.57 124.15,73.57 124.21,73.57 124.27,73.58 124.32,73.6 124.37,73.63 124.42,73.66 124.47,73.7 124.5,73.75 124.53,73.8 124.56,73.86 124.57,73.91 124.58,73.97 124.58,74.03 124.57,74.09 124.56,74.14 124.53,74.2 124.5,74.25 124.47,74.3 124.42,74.34 124.37,74.37 124.32,74.4 124.27,74.42 124.21,74.43 124.15,74.43 124.09,74.43 124.03,74.42 123.98,74.4 123.93,74.37 123.88,74.34 123.83,74.3 123.8,74.25 123.77,74.2 123.74,74.14 123.73,74.09 123.72,74.03 112.25,74.03 112.25,74.84 112.27,74.86 112.3,74.91 112.32,74.96 112.33,75.02 112.34,75.07 112.34,75.13 112.33,75.18 112.32,75.24 112.3,75.29 112.27,75.34 112.25,75.36 112.25,75.53 122.52,75.53 122.52,75.47 122.53,75.41 122.54,75.36 122.57,75.3 122.6,75.25 122.63,75.2 122.68,75.16 122.73,75.13 122.78,75.1 122.83,75.08 122.89,75.07 122.95,75.07 123.01,75.07 123.07,75.08 123.12,75.1 123.17,75.13 123.22,75.16 123.27,75.2 123.3,75.25 123.33,75.3 123.36,75.36 123.37,75.41 123.38,75.47 123.38,75.53 123.37,75.59 123.36,75.64 123.33,75.7 123.3,75.75 123.27,75.8 123.22,75.84 123.17,75.87 123.12,75.9 123.07,75.92 123.01,75.93 122.95,75.93 122.89,75.93 122.83,75.92 122.78,75.9 122.73,75.87 122.68,75.84 122.63,75.8 122.6,75.75 122.57,75.7 122.54,75.64 122.53,75.59 122.52,75.53 112.25,75.53 112.25,76.83 115.42,76.83 115.42,76.77 115.43,76.71 115.44,76.66 115.47,76.6 115.5,76.55 115.53,76.5 115.58,76.46 115.63,76.43 115.68,76.4 115.73,76.38 115.79,76.37 115.85,76.37 115.91,76.37 115.97,76.38 116.02,76.4 116.07,76.43 116.12,76.46 116.17,76.5 116.2,76.55 116.23,76.6 116.25,76.63 120.12,76.63 120.12,76.57 120.13,76.51 120.14,76.46 120.17,76.4 120.2,76.35 120.23,76.3 120.28,76.26 120.33,76.23 120.38,76.2 120.43,76.18 120.49,76.17 120.55,76.17 120.61,76.17 120.67,76.18 120.72,76.2 120.77,76.23 120.82,76.26 120.87,76.3 120.9,76.35 120.93,76.4 120.96,76.46 120.97,76.51 120.98,76.57 120.98,76.63 120.97,76.69 120.96,76.74 120.93,76.8 120.9,76.85 120.87,76.9 120.82,76.94 120.77,76.97 120.72,77 120.67,77.02 120.61,77.03 120.55,77.03 120.49,77.03 120.43,77.02 120.38,77 120.33,76.97 120.28,76.94 120.23,76.9 120.2,76.85 120.17,76.8 120.14,76.74 120.13,76.69 120.12,76.63 116.25,76.63 116.26,76.66 116.27,76.71 116.28,76.77 116.28,76.83 116.27,76.89 116.26,76.94 116.23,77 116.2,77.05 116.17,77.1 116.12,77.14 116.07,77.17 116.02,77.2 115.97,77.22 115.91,77.23 115.85,77.23 115.79,77.23 115.73,77.22 115.68,77.2 115.63,77.17 115.58,77.14 115.53,77.1 115.5,77.05 115.47,77 115.44,76.94 115.43,76.89 115.42,76.83 112.25,76.83 112.25,78.24 122,78.24 122,78.19 122.01,78.13 122.03,78.07 122.05,78.02 122.08,77.97 122.12,77.92 122.16,77.88 122.21,77.85 122.26,77.82 122.32,77.8 122.37,77.79 122.43,77.78 122.49,77.79 122.55,77.8 122.61,77.82 122.66,77.85 122.71,77.88 122.75,77.92 122.79,77.97 122.82,78.02 122.84,78.07 122.86,78.13 122.86,78.19 122.86,78.24 122.86,78.3 122.84,78.36 122.82,78.41 122.79,78.46 122.75,78.51 122.71,78.55 122.66,78.58 122.61,78.61 122.55,78.63 122.49,78.64 122.43,78.65 122.37,78.64 122.32,78.63 122.26,78.61 122.21,78.58 122.16,78.55 122.12,78.51 122.08,78.46 122.05,78.41 122.03,78.36 122.01,78.3 122,78.24 112.25,78.24 112.25,79.59 121.62,79.59 121.62,79.53 121.63,79.47 121.64,79.41 121.67,79.36 121.7,79.31 121.73,79.26 121.78,79.22 121.83,79.19 121.88,79.16 121.93,79.14 121.99,79.13 122.05,79.13 122.11,79.13 122.17,79.14 122.22,79.16 122.27,79.19 122.32,79.22 122.37,79.26 122.4,79.31 122.43,79.36 122.46,79.41 122.47,79.47 122.48,79.53 122.48,79.59 122.47,79.65 122.46,79.7 122.43,79.76 122.4,79.81 122.37,79.85 122.32,79.89 122.27,79.93 122.22,79.95 122.17,79.97 122.11,79.99 122.05,79.99 121.99,79.99 121.93,79.97 121.88,79.95 121.83,79.93 121.78,79.89 121.73,79.85 121.7,79.81 121.67,79.76 121.64,79.7 121.63,79.65 121.62,79.59 112.25,79.59 112.25,80.2 113.8,80.2 124.75,80.2
VDD_OSC on L5 (solid shape): 132.05,81.3 132.05,80.2 138.6,80.2 139.3,80.2 139.35,80.15 139.35,63.5 139.25,63.4 133.01,63.4 132.98,63.46 132.95,63.5 132.91,63.55 132.87,63.59 132.82,63.62 132.77,63.65 132.71,63.67 132.66,63.68 132.6,63.68 132.54,63.68 132.49,63.67 132.43,63.65 132.38,63.62 132.33,63.59 132.29,63.55 132.25,63.5 132.22,63.46 132.19,63.4 130.75,63.4 130.35,63.8 130.35,65 131.35,66 131.35,68.3 131.55,68.5 138.05,68.5 138.35,68.8 138.35,77.8 137.35,78.8 137.23,78.8 137.2,78.83 134.83,78.83 134.82,78.83 134.79,78.84 134.77,78.85 134.75,78.88 134.73,78.9 134.73,78.93 134.74,78.96 134.75,78.99 134.78,79.02 134.82,79.07 134.84,79.12 134.86,79.18 134.88,79.24 134.88,79.29 134.88,79.35 134.87,79.41 134.86,79.43 138.02,79.43 138.02,79.37 138.03,79.31 138.04,79.26 138.07,79.2 138.1,79.15 138.13,79.1 138.18,79.06 138.23,79.03 138.28,79 138.33,78.98 138.39,78.97 138.45,78.97 138.51,78.97 138.57,78.98 138.62,79 138.67,79.03 138.72,79.06 138.77,79.1 138.8,79.15 138.83,79.2 138.86,79.26 138.87,79.31 138.88,79.37 138.88,79.43 138.87,79.49 138.86,79.54 138.83,79.6 138.8,79.65 138.77,79.7 138.72,79.74 138.67,79.77 138.62,79.8 138.57,79.82 138.51,79.83 138.45,79.83 138.39,79.83 138.33,79.82 138.28,79.8 138.23,79.77 138.18,79.74 138.13,79.7 138.1,79.65 138.07,79.6 138.04,79.54 138.03,79.49 138.02,79.43 134.86,79.43 134.85,79.47 134.82,79.52 134.79,79.57 134.75,79.61 134.7,79.65 134.65,79.68 134.6,79.71 134.54,79.72 134.48,79.73 134.42,79.73 134.36,79.72 134.3,79.71 134.25,79.68 134.2,79.65 134.15,79.61 134.11,79.57 134.08,79.52 134.05,79.47 134.03,79.41 134.02,79.35 134.02,79.29 134.02,79.24 134.04,79.18 134.06,79.12 134.08,79.07 134.12,79.02 134.15,78.99 134.16,78.96 134.17,78.93 134.17,78.9 134.15,78.88 134.13,78.85 134.11,78.84 134.08,78.83 134.07,78.83 131.22,78.83 130.45,79.6 132.52,79.6 132.52,79.54 132.53,79.48 132.54,79.42 132.57,79.37 132.6,79.32 132.63,79.27 132.68,79.23 132.73,79.2 132.78,79.17 132.83,79.15 132.89,79.14 132.95,79.14 133.01,79.14 133.07,79.15 133.12,79.17 133.17,79.2 133.22,79.23 133.27,79.27 133.3,79.32 133.33,79.37 133.36,79.42 133.37,79.48 133.38,79.54 133.38,79.6 133.37,79.66 133.36,79.71 133.33,79.77 133.3,79.82 133.27,79.86 133.22,79.9 133.17,79.94 133.12,79.96 133.07,79.98 133.01,80 132.95,80 132.89,80 132.83,79.98 132.78,79.96 132.73,79.94 132.68,79.9 132.63,79.86 132.6,79.82 132.57,79.77 132.54,79.71 132.53,79.66 132.52,79.6 130.45,79.6 129.88,80.17 129.88,80.33 129.85,80.33 129.85,81.3 130.05,81.5 131.85,81.5
VDDA_CLK40 on L5 (solid shape): outline of 3175 points within 104.35,52.2 139.35,80.2
VDDO_CLK40 on L4 (solid shape): outline of 5000 points within 104.35,52.2 139.35,80.2
VIN_DCDC on L5: 99.5,253.15 99,252.65 99,218.6 100.8,216.8 100.8,213.95 100.7,213.85 98.8,213.85 97.95,213 97.95,210.25 98.15,210.05 100.9,210.05 103.2,212.35 103.2,216.05 99.75,219.5 99.75,249.45 101.05,250.75 101.05,253.15
(no net) on L4: 139.35,80.2 104.35,80.2 104.35,52.2 139.35,52.2
(no net) on L5: 129.85,80.2 129.85,81.3 130.05,81.5 131.85,81.5 132.05,81.3 132.05,80.2 139.35,80.2 139.35,63.5 139.25,63.4 130.75,63.4 130.35,63.8 130.35,65 131.35,66 131.35,68.3 131.55,68.5 138.05,68.5 138.35,68.8 138.35,77.8 137.35,78.8 131.25,78.8
(no net) on L5: 108.65,56.6 108.85,56.4 111.52,53.9 125.15,53.9 125.75,54.4 125.75,55.7 125.15,56.3 113.35,56.3 113.35,70.9 113.95,71.5 120.05,71.5 120.65,70.9 123.95,70.9 124.85,70 124.85,65.6 117.65,65.6 117.65,62.9 118.75,61.8 128.25,61.8 128.65,62.2 128.65,76.5 124.95,80.2 129.75,80.2 129.75,80.1 131.15,78.7 137.15,78.7 138.15,77.7 138.15,69 137.85,68.7 131.45,68.7 131.05,68.3 131.05,66 130.15,65.1 130.15,63.7 130.65,63.2 139.35,63.2 139.35,52.2 104.35,52.2 104.35,80.2 111.35,80.2 111.35,66.9 110.65,66.2 110.65,63.6 108.65,61.6
(no net) on L5: 23,0.5 23,18.1 127.55,122.65 127.55,157.4 123.05,157.4 121.95,156.3 119.35,156.3 118.25,157.4 94.9,157.4 93.8,156.3 91.2,156.3 90.1,157.4 69.97,157.4 59.74,167.63 58.18,167.63 56.35,169.46 56.35,171.02 45,182.37 45,210.2 43.95,211.25 43.95,213.85 45,214.9 45,237.45 43.95,238.5 43.95,241.1 45,242.15 45,277.58 48.48,281.06 48.48,282.62 50.31,284.45 51.87,284.45 69.97,302.55 79.85,302.55 80.95,303.65 83.55,303.65 84.65,302.55 107,302.55 108.1,303.65 110.7,303.65 111.8,302.55 128,302.55 128,334.5 23,439.5 23,455.7 159.5,455.7 159.5,0.5 ; 15 cut-outs
(no net) on L5: 124.75,80.2 124.75,79.8 127.85,76.7 127.85,63 126.95,62.1 119.25,62.1 118.55,62.8 118.55,64.9 118.75,65.1 125.15,65.1 125.35,65.3 125.35,70.8 124.15,72 114.25,72 112.85,70.6 112.85,55.6 125.25,55.6 125.25,54.3 111.89,54.3 109.05,56.9 109.05,61.1 111.05,63.1 111.05,65.4 111.45,65.8 111.45,70.9 112.25,71.7 112.25,80.2
PSG on TOP: 95.45,433.25 95.45,416.5 96.25,416.5 96.25,416.75 96.45,416.95 96.45,417.9 96.7,418.15 97.9,418.15 100.5,420.75 101.65,420.75 101.65,433.25
PSG on L2: 89.15,438 110.5,438 110.5,405 89.15,405
UNNAMED_3_CAPCERSMDCL2_I119_<0> on TOP: 101.75,424.8 105.85,424.8 105.85,432.55 105.84,432.55 105.84,435.61 104.57,436.88 95.68,436.88 95.68,433.39 101.71,433.39 101.75,433.35

Small or netless copper shapes (teardrops, artwork), in the pictures only: 1 on L5

## Text on the board
User.Comments: CR_PLACEPOWER_2 | 22/Apr/17 | 9/Sept/16 | P.Baesso | D.Cussans | Draft | Final | pc051c 64 Channel ADC+FPGA for SoLiD
Ref Des/Silkscreen Top: 64 Channel | D. Cussans | P. Baesso | Bristol | H.E.P. | pc051c v209 | May 2017 | ADC + FPGA | SoLiD
BODY_CENTER: FIGURE | SIZE | 0.2 | 0.3302 | 0.4064 | 0.5 | 0.8128 | 0.85 | 0.9 | 0.9144 | 0.95 | 1.0 | 1.016 | 1.05 | 1.35 | 1.4 | 1.7 | 2.7 | 2.8 | 3.302 | 1.45 | 1.55 | 1.95 | 2.1x0.9 | 2.7x0.9 | DRILL CHART: TOP to BOTTOM | ALL UNITS ARE IN MILLIMETERS | PLATED | NON-PLATED | QTY | 896 | 1329 | 417 | 97 | 12 | 5 | 2 | 4 | 63 | 18 | 400 | 10 | 20 | 8 | 6
